# Allegro board BeagleBoard-X15_RevA2.brd (continued)
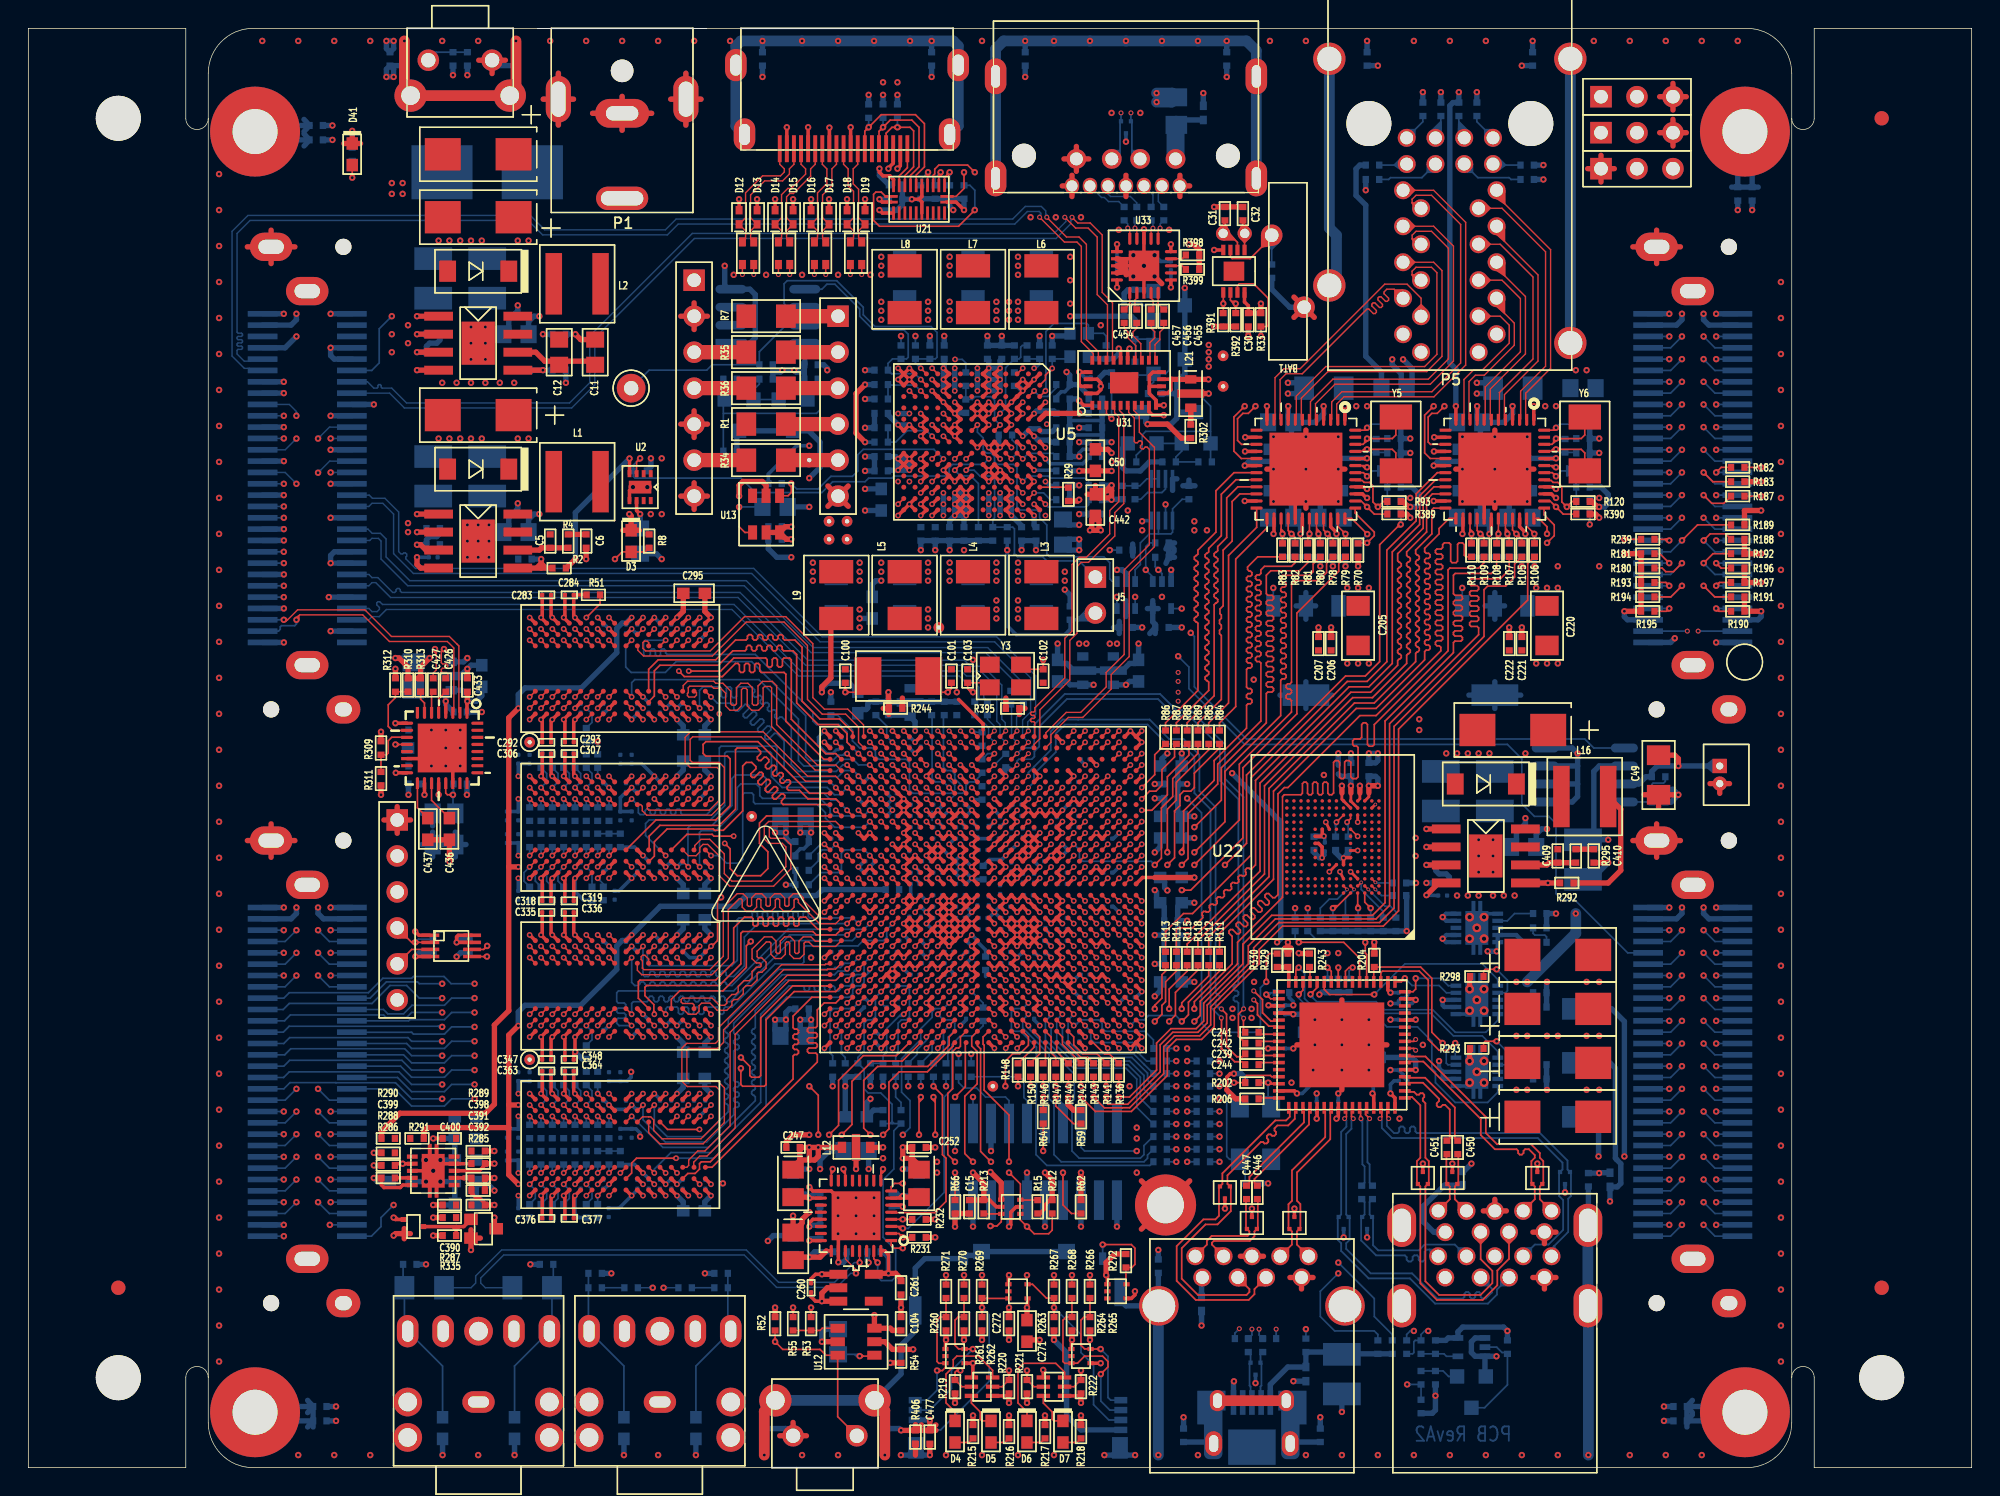
[diagram p0: board, top side]
## Routing (per net, layer and track width the routed paths; a pad name or vN(x,y) marks a point on that pad's centre or on a via; arc(x,y) is an arc through that point) (continued)
P0_TRD[3]P: length 17.6
  TOP w0.102: P5.17 96.39,83.19 95.88,83.19 95.69,82.99 95.69,82.87 96.01,82.54 96.01,82.42 95.92,82.33 95.79,82.33 95.47,82.65 95.34,82.65 95.26,82.56 95.26,82.43 95.58,82.11 95.58,81.99 95.49,81.9 95.36,81.9 95.04,82.22 94.91,82.22 94.82,82.13 94.82,82 95.15,81.68 95.15,81.56 95.06,81.47 94.93,81.47 94.61,81.79 94.48,81.79 89.91,77.22 88.77,77.22 88.35,76.8 88.35,74.03 U14.10
P1_TRD[0]N: length 18.6
  TOP w0.102: U15.3 105.33,74.03 105.33,75.99 107.09,77.75 107.09,85.83 104.01,88.9 P5.2
P1_TRD[0]P: length 18.5
  TOP w0.102: U15.2 105.68,74.03 105.68,75.84 107.44,77.6 107.44,85.97 103.63,89.79 P5.1
P1_TRD[1]N: length 15.9
  TOP w0.102: U15.6 103.83,74.03 103.83,75.89 106.2,78.26 106.2,84.05 103.89,86.36 P5.4
P1_TRD[1]P: length 15.9
  TOP w0.102: P5.3 103.63,87.12 106.55,84.2 106.55,78.11 104.18,75.74 104.18,74.03 U15.5
P1_TRD[2]N: length 13.1
  TOP w0.102: U15.8 102.83,74.03 102.83,76.28 105.31,78.77 105.31,82.52 104.01,83.82 P5.6
P1_TRD[2]P: length 13
  TOP w0.102: P5.5 103.63,84.71 105.66,82.67 105.66,78.62 103.18,76.14 103.18,74.03 U15.7
P1_TRD[3]N: length 10.8
  TOP w0.102: P5.8 103.89,81.28 104.52,80.65 104.52,79.38 102.62,77.47 101.99,77.47 101.33,76.81 101.33,74.03 U15.11
P1_TRD[3]P: length 10.8
  TOP w0.102: P5.7 103.63,82.04 104.88,80.79 104.88,79.23 102.76,77.11 102.13,77.11 101.68,76.66 101.68,74.03 U15.10
PCI_CONN_REFN: length 20
  TOP w0.102: U7.2 30.39,53.35 30.39,58 29.72,58.67 25.63,58.67 23.75,60.55 19,60.55 18.3,59.85 v2(18.03,59.85)
  BOTTOM w0.12: P19.58 v2(18.03,59.85)
PCI_CONN_REFP: length 19.9
  TOP w0.102: v2(18.92,59.85) 18.92,59.97 19.15,60.2 23.6,60.2 25.48,58.32 29.57,58.32 30.03,57.86 30.03,53.35 U7.3
  BOTTOM w0.12: v2(18.92,59.85) 18.92,59.55 18.8,59.43 17.87,59.43 17.78,59.35 17.78,59.18 17.65,59.05 P19.59
PCIE_TXN0: length 3.1
  TOP w0.12: U11.AG14 v3(68.19,51.21)
  BOTTOM w0.102: C423.1 67.34,52.58 67.44,52.58 67.77,52.24 67.77,51.62 v3(68.19,51.21)
PCIE_TXN1: length 3.4
  TOP w0.12: U11.AG12 v3(69.79,51.21)
  BOTTOM w0.102: v3(69.79,51.21) 69.4,51.6 69.4,53.83 C425.1
PCIE_TXP0: length 1.9
  TOP w0.12: U11.AH14 v3(68.19,52.01)
  BOTTOM w0.102: v3(68.19,52.01) 68.19,52.34 67.69,52.83 C422.1
PCIE_TXP1: length 2.7
  TOP w0.12: U11.AH12 v3(69.79,52.01)
  BOTTOM w0.102: v3(69.79,52.01) 69.75,52.04 69.75,52.99 70.23,53.47 C424.1
PMIC_BOOT0: length 4.1
  TOP w0.12: U5.L3 v1(62.99,76.01)
  BOTTOM w0.12: R21.1 R20.1 60.71,76.42 62.58,76.42 v1(62.99,76.01)
PMIC_BOOT1: length 5.2
  TOP w0.12: U5.K7 v1(63.79,72.81)
  BOTTOM w0.12: v1(63.79,72.81) 63.4,73.2 62.02,73.2 61.21,72.39 R214.1 R22.1
PMIC_GPIO_0: length 2.3
  TOP w0.12: v1(70.99,68.81) U5.B12
  BOTTOM w0.12: R421.1 72.14,68.33 71.65,68.81 v1(70.99,68.81)
PMIC_GPIO_3: length 5.7
  TOP w0.12: U5.H9 v1(65.39,70.41)
  BOTTOM w0.12: v1(65.39,70.41) 65.79,70 66.52,70 67.06,69.47 R26.1
PMIC_GPIO_5: length 5.9
  TOP w0.12: v1(70.19,69.61) U5.C10
  BOTTOM w0.12: R27.1 74.84,69.69 74.68,69.85 72.14,69.85 71.99,70 70.58,70 v1(70.19,69.61)
PMIC_INT: length 49
  TOP w0.12: U11.AD17 v1(64.99,48.81) ; U5.K1 v1(63.79,77.61)
  INT_L3 w0.094: v1(63.79,77.61) 63.39,77.22 62.74,77.22 62.56,77.04 62.56,67.85 61.85,67.14 61.85,60.33 67.09,55.08 67.09,49.56 66.71,49.18 65.44,49.18 65.06,48.81 v1(64.99,48.81)
  BOTTOM w0.12: v1(64.99,48.81) 64.99,48.57 65.39,48.17 65.39,47.84 65.15,47.61 62.42,47.61 62.19,47.84 62.19,49.77 61.95,50.01 60.02,50.01 59.79,50.24 59.79,50.58 59.56,50.81 59.22,50.81 59.22,50.8 58.67,50.8 58.17,51.31 58.17,52.07 57.12,53.12 R48.2
PMIC_OFF: length 35.9
  TOP w0.12: U11.Y11 v1(70.59,45.61)
  INT_L3 w0.094: v1(70.59,45.61) 70.59,45.62 70.99,46.03 70.99,63.75 72.64,65.41 72.64,75.95 v1(70.99,77.61)
  BOTTOM w0.12: v1(70.99,77.61) 71.13,77.61 71.37,77.85 R45.2 R322.1
PMIC_POWERGOOD: length 13.5
  TOP w0.12: U5.J7 v1(64.59,72.81)
  SIG_L10 w0.094: v1(64.59,72.81) 63.79,72.01 61.21,72.01 60.45,71.25 60.45,68.95 59.7,68.2 58.29,68.2 57.15,67.06 57.15,66.17 TP5.1
PMIC_POWERHOLD: length 16
  TOP w0.12: U5.G9 v1(66.19,70.41)
  BOTTOM w0.12: v1(66.19,70.41) 66.75,70.41 67.18,69.98 67.6,69.98 67.63,70 67.95,70 68.2,69.75 68.2,67.05 68.07,66.93 R28.2 R23.2 69.48,66.39 69.6,66.27 69.6,64.52 69.82,64.3 71.59,64.3 71.88,64.01 74.17,64.01 J5.1
PMIC_RESET_IN: length 15.8
  TOP w0.12: U5.K9 v1(64.59,71.21) ; v2(53.85,69.47) 53.85,68.83 53.62,68.61 U13.1
  BOTTOM w0.12: v1(64.59,71.21) 63.91,71.88 58.93,71.88 58.55,71.5 58.55,70.36 58.17,69.98 56.64,69.98 55.75,69.09 54.23,69.09 v2(53.85,69.47) R56.2
PMIC_RESET_OUT: length 19.7
  TOP w0.12: v1(66.99,73.61) U5.G6
  BOTTOM w0.12: U9.1 76.52,62.55 76.33,62.74 76.33,63.88 75.91,64.3 72.1,64.3 71.88,64.52 71.88,66.55 71.38,67.05 71.38,67.43 71.21,67.6 70,67.6 69.78,67.82 69.78,70.59 69.55,70.82 68.37,70.82 68.2,70.99 68.2,71.38 67.95,71.62 67.63,71.62 67.4,71.85 67.4,72.68 66.99,73.09 v1(66.99,73.61)
PMIC_SCE: length 5.6
  TOP w0.12: U5.M3 v1(62.19,76.01)
  INT_L3 w0.094: v2(62.61,79.88) 61.76,79.04 61.76,76.43 v1(62.19,76.01)
  BOTTOM w0.12: R19.2 v2(62.61,79.88)
PMIC_SDO: length 14.4
  TOP w0.12: U5.H8 v1(65.39,71.21)
  INT_L3 w0.094: v2(61.59,79.88) 62.1,80.39 64.9,80.39 65.76,79.52 65.76,72.49 65.39,72.12 v1(65.39,71.21)
  BOTTOM w0.12: R18.2 v2(61.59,79.88)
PMIC_VBUS_DET: length 92.4
  TOP w0.12: U5.C13 v1(70.19,67.21)
  INT_L3 w0.094: v2(78.23,20.83) 79.76,22.35 79.76,29.84 80.65,30.73 81.28,30.73 81.79,31.24 81.79,33.53 81.28,34.04 81.28,39.88 81.79,40.39 81.79,43.94 80.52,45.21 80.52,48.51 80.01,49.02 80.01,52.2 79.5,52.7 79.5,57.91 80.01,58.42 80.01,60.71 79.5,61.21 79.5,61.85 80.26,62.61 80.26,64.52 v2(78.61,66.17)
  SIG_L10 w0.094: v2(78.61,66.17) 77.6,65.15 72.24,65.15 v1(70.19,67.21) ; v2(97.79,9.65) 97.54,9.4 79.12,9.4 77.6,10.92 77.6,20.19 v2(78.23,20.83)
  BOTTOM w0.12: R414.2 97.28,9.4 97.54,9.65 v2(97.79,9.65)
PMIC_XTAL_IN: length 10.6
  TOP w0.12: U5.A3 v1(71.79,76.01)
  BOTTOM w0.12: v1(71.79,76.01) 71.82,76.04 71.82,80.2 72.39,80.77 74.7,80.77 74.82,80.65 74.82,80.07 75.88,80.07 76.07,79.88 C452.1
PMIC_XTAL_OUT: length 3.5
  TOP w0.12: U5.A2 71.79,76.81 71.79,77.12 v1(72.26,77.6)
  BOTTOM w0.12: Y9.1 73.36,78.27 C453.1 v1(72.26,77.6)
POR_CT: length 2.6
  TOP w0.12: U12.4 59.65,7.87 v2(58.67,7.87)
  BOTTOM w0.12: v2(58.67,7.87) 58.55,8 57.15,8
PORZ: length 53.7
  TOP w0.12: U11.F22 v1(60.99,33.61) ; U11.AB17 v1(64.99,47.21)
  SIG_L8 w0.094: v1(60.99,33.61) 61.42,34.04 61.98,34.04 62.18,34.24 62.18,46.56 62.45,46.83 64.48,46.83 64.86,47.21 v1(64.99,47.21)
  SIG_L10 w0.094: v2(78.12,61.47) 77.74,61.85 73.91,61.85 67.18,55.12 67.18,48.01 66.8,47.62 65.41,47.62 v1(64.99,47.21)
  BOTTOM w0.12: R57.1 67.31,48.96 66.75,48.41 66.42,48.41 66.19,48.17 66.19,47.84 65.95,47.61 65.5,47.61 65.1,47.21 v1(64.99,47.21) U11.AB17 C95.2 ; U9.4 v2(78.12,61.47) ; v1(60.99,33.61) 61.3,33.92 C96.2 61.3,34.01 61.95,34.01 62.19,33.77 62.19,31.83 61.96,31.61 61.62,31.61 61.39,31.37 61.39,29.26 61.21,29.08 R39.1
PR1_UART0_CTSN: length 43.5
  TOP w0.12: U11.G1 v1(78.59,34.41)
  SIG_L5 w0.094: v2(116.71,33.14) 116.71,32.77 116.46,32.51 105.54,32.51 103.12,34.92 89.28,34.92 88.77,35.43 80.26,35.43 79.24,34.41 v1(78.59,34.41)
  BOTTOM w0.12: P18.40 115.91,32.34 v2(116.71,33.14)
PR1_UART0_RTSN: length 48.7
  TOP w0.12: U11.G6 v1(74.59,34.41)
  SIG_L5 w0.094: v1(74.59,34.41) 74.59,34.67 75.01,35.09 75.01,35.36 75.28,35.63 75.54,35.63 75.81,35.89 75.81,36.16 76.08,36.43 76.34,36.43 77.41,37.49 77.41,37.76 77.68,38.03 77.94,38.03 78.21,38.29 78.21,38.56 78.48,38.83 78.96,38.83 79.25,39.12 84.71,39.12 84.96,38.86 98.55,38.86 99.57,39.88 110.68,39.88 v2(115.82,34.74)
  BOTTOM w0.12: P18.37 v2(115.82,34.74)
PR1_UART0_RXD: length 42.8
  TOP w0.12: U11.F2 v1(77.79,33.61)
  SIG_L5 w0.094: v1(77.79,33.61) 78.16,33.23 78.89,33.23 80.58,34.92 88.27,34.92 89.28,33.91 99.06,33.91 99.57,34.42 102.87,34.42 105.28,32 115.35,32 v2(115.82,31.54)
  BOTTOM w0.12: P18.41 v2(115.82,31.54)
PR1_UART0_TXD: length 47.2
  TOP w0.12: U11.F3 v1(76.99,33.61)
  SIG_L5 w0.094: v2(118.24,33.14) 117.36,32.26 105.41,32.26 103,34.67 99.38,34.67 98.87,34.16 96.9,34.16 96.39,34.67 89.03,34.67 88.52,35.18 80.39,35.18 79.24,34.03 77.41,34.03 v1(76.99,33.61)
  BOTTOM w0.12: v2(118.24,33.14) 119.04,32.34 P18.10
PS_3V3: length 116.2
  TOP w0.254: v1(61.39,70.41) U5.N9 ; U5.N9 61.79,70.81 v1(62.19,70.41) U5.M9 v1(62.19,71.21) ; U5.N9 v1(62.19,71.21) ; U5.N9 v1(61.39,71.21) U5.N8 v1(62.19,71.21) ; v1(66.19,68.01) U5.G13 v1(66.19,67.21) U5.H13 ; v1(66.19,68.01) U5.G12 v1(66.19,68.81) ; v1(66.19,68.01) U5.H13 ; v1(66.19,68.01) 66.19,68.01 U5.H12 ; U5.H12 v1(65.39,68.81) U5.H11 65.79,69.21 v1(66.19,68.81) ; U5.H12 v1(66.19,68.81) ; U5.H12 v1(65.39,68.01) U5.H13 ; U5.H13 v1(65.39,67.21) ; U5.D11 v1(69.39,68.81) 68.99,68.41 U5.D12 v1(69.39,68.01) 68.99,67.61 U5.D13 v1(69.39,67.21) ; v1(62.19,71.21) U5.M8 ; v1(66.19,68.81) U5.G11 ; v1(62.99,67.21) U5.L13 v1(62.99,68.01) U5.L12 ; U5.E3 v1(68.59,76.01) 68.19,76.41 U5.E2 v1(68.59,76.81) U5.E1 v1(68.59,77.61) ; v1(61.39,73.61) U5.N6 v1(62.19,73.61) U5.M6 ; v1(64.59,77.61) U5.J1 v1(64.59,76.81) U5.J2 v1(64.59,76.01) U5.J3 ; v1(67.79,77.61) U5.F1 v1(67.79,76.81) U5.F2 67.39,76.41 v1(67.79,76.01) U5.F3 ; v1(70.19,75.21) U5.C4 v1(70.19,74.41) U5.C5 ; v1(70.19,72.01) U5.C7 ; 43.93,71.24 v2(43.94,71.25)
  TOP w0.381: U13.5 U13.6 ; U13.6 53.43,66.42 v2(53.85,66.42) ; U13.6 53.51,65.53 v2(53.85,65.53) ; R29.1 74.07,68.23 v2(74.17,68.33) ; R335.1 v2(28.58,16.38) ; v2(75.69,66.17) v2(74.93,66.17) 75.06,66.29 75.06,66.93 C442.1 75.56,66.93 75.56,66.29 v2(75.69,66.17)
  TOP w1.016: P3.1 R7.2
  SIG_L5 w0.381: v2(37.94,76.58) 37.94,81.95 30.99,88.9 v2(30.99,98.3)
  PWR_L6 w0.381: 56.21,82.22 P3.1 ; P3.1 58.09,82.22 ; P3.1 58.09,80.34 ; P3.1 56.21,80.34
  SIG_L10 w0.381: v2(74.93,66.17) v2(75.69,66.17) 77.28,66.17 78.41,67.3 81.8,67.3 v2(82.3,66.8)
  BOTTOM w0.254: R30.1 73.5,76.29 73.15,75.95 72.9,75.95 72.55,75.6 C26.2
  BOTTOM w0.381: R407.1 v2(30.99,98.3) ; v1(68.59,77.61) 68.59,78.14 C45.1 ; v1(68.59,77.61) v1(67.79,77.61) ; v1(68.59,77.61) v1(68.59,76.81) ; v1(67.79,76.81) v1(67.79,76.01) v1(68.59,76.01) v1(68.59,76.81) ; v1(67.79,76.81) v1(67.79,77.61) ; v1(67.79,76.81) v1(68.59,76.81) ; v1(65.39,67.21) v1(65.39,68.01) ; v1(65.39,67.21) 65.02,66.85 C37.1 ; v1(65.39,67.21) v1(66.19,67.21) ; v1(65.39,68.01) v1(65.39,68.81) v1(66.19,68.81) v1(66.19,68.01) ; v1(65.39,68.01) v1(66.19,68.01) ; C39.1 67.79,78.17 v1(67.79,77.61) ; C41.1 64.64,77.67 v1(64.59,77.61) v1(64.59,76.81) v1(64.59,76.01) ; v2(43.94,71.25) 43.94,70.65 R10.2 ; v2(53.85,65.53) C111.1 R58.1 v2(53.85,66.42) ; C46.1 60.72,70.41 v1(61.39,70.41) ; v1(61.39,70.41) v1(61.39,71.21) ; v1(61.39,70.41) v1(62.19,70.41) v1(62.19,71.21) v1(61.39,71.21) ; v1(61.39,71.21) 61.22,71.37 C48.1 ; C43.1 60.67,74.32 v1(61.39,73.61) v1(62.19,73.61) ; C33.1 70.1,66.49 v1(69.39,67.21) v1(69.39,68.01) v1(69.39,68.81) ; v1(66.19,67.21) v1(66.19,68.01) ; v1(66.19,67.21) 66.04,67.06 C35.1 ; C27.2 74.84,75.69 74.07,76.45 R30.1 73.5,77.12 v2(73.28,77.34) ; R13.1 v2(37.94,76.58) ; C23.1 v2(59.05,67.56)
  vias: v1(71.79,67.21) v2(44.7,71.25)
PS_3V3_COMP: length 6
  TOP w0.381: U3.6 35.81,78.74 36.45,78.11 37.21,78.11 C12.1 37.72,78.11 39.75,78.11 C11.1
PS_3V3_EN: length 4.2
  TOP w0.381: v2(27.43,78.74) U3.3
  BOTTOM w0.381: R9.2 29.05,79.6 28.83,79.38 28.32,79.38 28.1,79.15 R11.1 v2(27.43,78.74)
PS_3V3_SNS: length 3.4
  TOP w0.381: U3.5 v2(36.32,77.47)
  BOTTOM w0.381: R13.2 v2(36.32,77.47) R14.2
PS_3V3_SS: length 2.4
  TOP w0.381: U3.4 v2(27.43,77.47)
  BOTTOM w0.254: v2(27.43,77.47) C13.1
PS_3V3_TAP: length 3.8
  TOP w0.381: 46.05,81.28 P2.2 ; P2.2 47.93,81.28 ; P2.2 46.99,82.22 ; P2.2 46.99,80.34
  vias: v2(34.54,86.61) v2(35.31,86.61)
PUSB_RXN0: length 41.2
  TOP w0.127: U11.AF12 v3(69.79,50.41) ; C242.1 85.41,30.45 85.41,32.02 v3(85.78,32.38)
  BOTTOM w0.127: v3(69.79,50.41) 70.19,50.81 70.75,50.81 70.99,51.05 70.99,52.45 73.15,54.61 79.88,54.61 81.03,53.47 82.04,53.47 84.45,51.05 84.45,48.64 85.76,47.33 85.76,32.42 85.78,32.4 v3(85.78,32.38)
PUSB_RXP0: length 41.2
  TOP w0.127: C241.1 85.76,30.86 85.76,31.71 v3(85.78,31.72) ; U11.AE12 v3(69.79,49.61)
  BOTTOM w0.114: 70.82,50.01 69.91,50.01
  BOTTOM w0.127: 70.82,50.01 71.01,50.19 71.01,50.56 71.35,50.9 71.35,52.3 73.3,54.25 79.74,54.25 80.88,53.11 81.89,53.11 84.1,50.9 84.1,48.49 85.41,47.19 85.41,34.16 85.3,34.05 85.18,34.05 85.06,33.94 85.06,33.78 85.18,33.67 85.3,33.67 85.41,33.56 85.41,33.4 85.3,33.29 85.18,33.29 85.06,33.18 85.06,33.02 85.18,32.91 85.3,32.91 85.41,32.8 85.41,32.12 v3(85.78,31.72) ; 69.91,50.01 69.79,49.88 v3(69.79,49.61)
PUSB_TXN0: length 39.7
  TOP w0.127: v3(84.2,31.75) 84.21,31.74 84.21,29.88 84.21,29.58 85.15,28.65 85.68,28.65 C244.1 ; U11.AC11 v3(70.59,48.01)
  BOTTOM w0.127: v3(84.2,31.75) 83.44,32.51 83.44,46.48 82.3,47.62 82.3,50.17 81.38,51.08 80.37,51.08 78.99,52.45 73.95,52.45 73.15,52.45 72.52,51.82 72.52,50.51 70.98,48.97 70.98,48.4 v3(70.59,48.01)
PUSB_TXP0: length 39.7
  TOP w0.127: C239.1 85.68,29.01 85.29,29.01 84.57,29.73 84.57,32.02 v3(84.2,32.38) ; U11.AD11 v3(70.59,48.81)
  BOTTOM w0.127: v3(84.2,32.38) 84.2,32.38 84.07,32.38 83.79,32.66 83.79,32.91 83.91,33.02 83.96,33.02 84.07,33.14 84.07,33.29 83.96,33.41 83.91,33.41 83.79,33.52 83.79,46.63 82.65,47.77 82.65,50.31 81.53,51.44 80.51,51.44 79.14,52.81 74.1,52.81 73,52.81 72.16,51.96 72.16,50.65 70.99,49.49 70.99,49.48 70.59,49.07 v3(70.59,48.81)
PWRON: length 157.6
  TOP w0.12: U5.G8 v1(66.19,71.21)
  INT_L3 w0.094: v2(66.04,64.77) 65.79,65.02 65.79,70.81 v1(66.19,71.21) ; S1.2 28.23,90.46 26.16,88.39 26.16,79.25 v2(25.65,78.74) ; v2(119.13,36.34) 118.26,37.21 115.44,37.21 110.24,42.42 110.24,61.34 v2(107.95,63.63)
  SIG_L10 w0.094: v2(107.95,63.63) 107.31,64.26 66.55,64.26 v2(66.04,64.77) ; v1(66.19,71.21) 65.02,72.37 65.02,77.85 64.64,78.23 59.94,78.23 58.17,80.01 45.47,80.01 44.96,79.5 35.31,79.5 34.92,79.88 27.94,79.88 26.8,78.74 v2(25.65,78.74)
  BOTTOM w0.12: S1.2 28.8,99.92 C478.1 R407.2 ; P18.5 v2(119.13,36.34)
R_3V3LED: length 2.7
  TOP w0.12: R8.2 43.53,64.64 D3.2 41.91,64.64 v2(41.4,64.14)
R_12VLED: length 2.1
  TOP w0.12: D41.2 v2(22.86,91.06)
  BOTTOM w0.12: R240.2 v2(22.86,91.06)
R_EMAC[0]_RXC: length 2.7
  TOP w0.12: R79.2 v2(92.96,65.91) 92.42,66.46 U14.35
  BOTTOM w0.12: v2(92.96,65.91) R79.2
R_EMAC[0]_RXCTL: length 2.9
  TOP w0.12: R78.2 92.08,65.53 v2(91.69,65.91) 91.42,66.19 U14.33
  BOTTOM w0.12: v2(91.69,65.91) 92.08,65.53 R78.2
R_EMAC[0]_RXD0: length 2.6
  TOP w0.12: R80.2 91.19,65.79 v2(91.06,65.91) 90.92,66.05 U14.32
  BOTTOM w0.12: v2(91.06,65.91) 91.19,65.85 R80.2
R_EMAC[0]_RXD1: length 2.5
  TOP w0.12: R81.2 90.3,65.79 v2(90.42,65.91) 90.42,66.04 U14.31
  BOTTOM w0.12: R81.2 90.3,65.79 v2(90.42,65.91)
R_EMAC[0]_RXD2: length 2.7
  TOP w0.12: R82.2 89.41,65.66 v2(89.15,65.91) 88.92,66.15 U14.28
  BOTTOM w0.12: R82.2 89.41,65.66 v2(89.15,65.91)
R_EMAC[0]_RXD3: length 2.5
  TOP w0.12: U14.27 88.42,66.01 v2(88.52,65.91) R83.2
  BOTTOM w0.12: v2(88.52,65.91) R83.2
R_EMAC[0]_TXC: length 17.1
  TOP w0.12: R85.2 83.31,52.58 84.71,53.98 84.71,64.39 86.7,66.38 U14.24
R_EMAC[0]_TXCTL: length 16.4
  TOP w0.12: U14.25 87.42,66.34 85.22,64.14 85.22,53.72 84.07,52.58 R84.2
R_EMAC[0]_TXD0: length 23.6
  TOP w0.12: R86.2 80.26,52.58 82.55,54.86 82.55,59.6 82.44,59.71 82.4,59.71 82.3,59.81 82.3,59.96 82.4,60.07 82.44,60.07 82.55,60.17 82.55,60.32 82.44,60.43 82.4,60.43 82.3,60.53 82.3,60.68 82.4,60.79 82.44,60.79 82.55,60.89 82.55,61.04 82.44,61.15 82.4,61.15 82.3,61.25 82.3,61.4 82.4,61.51 82.44,61.51 82.55,61.61 82.55,61.76 82.44,61.87 82.4,61.87 82.3,61.97 82.3,62.12 82.4,62.23 82.44,62.23 82.55,62.33 82.55,62.48 82.44,62.59 82.4,62.59 82.3,62.69 82.3,62.84 82.4,62.95 82.44,62.95 82.55,63.05 82.55,63.2 82.44,63.31 82.4,63.31 82.3,63.41 82.3,63.56 82.4,63.67 82.44,63.67 82.55,63.77 82.55,63.92 82.44,64.03 82.4,64.03 82.3,64.13 82.3,64.28 82.4,64.38 82.44,64.38 82.55,64.49 82.55,64.77 83.82,66.04 83.82,68.96 85.09,70.24 U14.19
R_EMAC[0]_TXD1: length 24.3
  TOP w0.12: R87.2 81.03,52.58 83.31,54.86 83.31,55.45 83.21,55.55 83.16,55.55 83.06,55.66 83.06,55.81 83.16,55.91 83.21,55.91 83.31,56.02 83.31,56.17 83.21,56.27 83.16,56.27 83.06,56.38 83.06,56.53 83.16,56.63 83.21,56.63 83.31,56.74 83.31,56.89 83.21,56.99 83.16,56.99 83.06,57.1 83.06,57.25 83.16,57.35 83.21,57.35 83.31,57.46 83.31,57.61 83.21,57.71 83.16,57.71 83.06,57.82 83.06,57.97 83.16,58.07 83.21,58.07 83.31,58.18 83.31,58.33 83.21,58.43 83.16,58.43 83.06,58.54 83.06,58.68 83.16,58.79 83.21,58.79 83.31,58.9 83.31,59.04 83.21,59.15 83.16,59.15 83.06,59.26 83.06,59.4 83.16,59.51 83.21,59.51 83.31,59.61 83.31,59.76 83.21,59.87 83.16,59.87 83.06,59.97 83.06,60.12 83.16,60.23 83.21,60.23 83.31,60.33 83.31,60.48 83.21,60.59 83.16,60.59 83.06,60.69 83.06,60.84 83.16,60.95 83.21,60.95 83.31,61.05 83.31,61.2 83.21,61.31 83.16,61.31 83.06,61.41 83.06,61.56 83.16,61.67 83.21,61.67 83.31,61.77 83.31,61.92 83.21,62.03 83.16,62.03 83.06,62.13 83.06,62.28 83.16,62.39 83.21,62.39 83.31,62.49 83.31,62.64 83.21,62.75 83.16,62.75 83.06,62.85 83.06,63 83.16,63.11 83.21,63.11 83.31,63.21 83.31,63.36 83.21,63.47 83.16,63.47 83.06,63.57 83.06,63.72 83.16,63.83 83.21,63.83 83.31,63.93 83.31,64.08 83.21,64.19 83.16,64.19 83.06,64.29 83.06,64.44 83.16,64.54 83.21,64.54 83.31,64.65 83.31,64.9 84.2,65.79 84.2,68.71 85.23,69.73 U14.20
R_EMAC[0]_TXD2: length 21.3
  TOP w0.12: U14.21 85.36,69.24 84.58,68.45 84.58,65.66 83.95,65.02 83.95,64.72 83.84,64.62 83.8,64.62 83.69,64.51 83.69,64.37 83.8,64.26 83.84,64.26 83.95,64.15 83.95,64.01 83.84,63.9 83.8,63.9 83.69,63.79 83.69,63.65 83.8,63.54 83.84,63.54 83.95,63.44 83.95,63.29 83.84,63.18 83.8,63.18 83.69,63.08 83.69,62.93 83.8,62.82 83.84,62.82 83.95,62.72 83.95,62.57 83.84,62.46 83.8,62.46 83.69,62.36 83.69,62.21 83.8,62.1 83.84,62.1 83.95,62 83.95,61.85 83.84,61.74 83.8,61.74 83.69,61.64 83.69,61.49 83.8,61.38 83.84,61.38 83.95,61.28 83.95,61.13 83.84,61.02 83.8,61.02 83.69,60.92 83.69,54.48 81.79,52.58 R88.2
R_EMAC[0]_TXD3: length 19.4
  TOP w0.12: U14.22 85.5,68.73 84.96,68.2 84.96,65.41 84.33,64.77 84.33,60.83 84.11,60.61 84.11,60.28 84.2,60.18 84.2,59.95 84.07,59.82 84.07,59.59 84.2,59.46 84.2,59.23 84.07,59.1 84.07,58.87 84.2,58.74 84.2,54.23 82.55,52.58 R89.2
R_EMAC[1]_RXC: length 2.7
  TOP w0.12: R106.2 v2(106.3,65.91) 105.75,66.46 U15.35
  BOTTOM w0.12: v2(106.3,65.91) R106.2
R_EMAC[1]_RXCTL: length 2.9
  TOP w0.12: R105.2 105.41,65.53 v2(105.03,65.91) 104.75,66.19 U15.33
  BOTTOM w0.12: R105.2 105.41,65.53 v2(105.03,65.91)
R_EMAC[1]_RXD0: length 2.6
  TOP w0.12: U15.32 104.26,66.05 v2(104.39,65.91) 104.52,65.79 R107.2
  BOTTOM w0.12: v2(104.39,65.91) 104.52,65.85 R107.2
R_EMAC[1]_RXD1: length 2.5
  TOP w0.12: R108.2 103.63,65.79 v2(103.76,65.91) 103.75,66.04 U15.31
  BOTTOM w0.12: v2(103.76,65.91) 103.63,65.79 R108.2
R_EMAC[1]_RXD2: length 2.7
  TOP w0.12: U15.28 102.26,66.15 v2(102.49,65.91) 102.74,65.66 R109.2
  BOTTOM w0.12: v2(102.49,65.91) 102.74,65.66 R109.2
R_EMAC[1]_RXD3: length 2.5
  TOP w0.12: R110.2 v2(101.85,65.91) 101.75,66.01 U15.27
  BOTTOM w0.12: v2(101.85,65.91) R110.2
R_EMAC[1]_TXC: length 42.2
  TOP w0.12: R112.2 83.31,37.47 87.57,41.72 87.57,47.94 93.6,53.98 95,53.98 97.92,56.9 97.92,57.48 98.02,57.58 98.07,57.58 98.17,57.69 98.17,57.84 98.07,57.94 98.02,57.94 97.92,58.05 97.92,58.2 98.02,58.3 98.07,58.3 98.17,58.41 98.17,58.56 98.07,58.66 98.02,58.66 97.92,58.77 97.92,58.92 98.02,59.02 98.07,59.02 98.17,59.13 98.17,59.28 98.07,59.38 98.02,59.38 97.92,59.49 97.92,59.64 98.02,59.74 98.07,59.74 98.17,59.85 98.17,60 98.07,60.1 98.02,60.1 97.92,60.21 97.92,60.36 98.02,60.46 98.07,60.46 98.17,60.57 98.17,60.72 98.07,60.82 98.02,60.82 97.92,60.93 97.92,61.08 98.02,61.18 98.07,61.18 98.17,61.29 98.17,61.44 98.07,61.54 98.02,61.54 97.92,61.65 97.92,61.79 98.02,61.9 98.07,61.9 98.17,62.01 98.17,62.15 98.07,62.26 98.02,62.26 97.92,62.37 97.92,62.51 98.02,62.62 98.07,62.62 98.17,62.72 98.17,62.87 98.07,62.98 98.02,62.98 97.92,63.08 97.92,63.23 98.02,63.34 98.07,63.34 98.17,63.44 98.17,63.59 98.07,63.7 98.02,63.7 97.92,63.8 97.92,63.95 98.02,64.06 98.07,64.06 98.17,64.16 98.17,64.31 98.07,64.42 98.02,64.42 97.92,64.52 97.92,64.77 99.06,65.91 99.06,67.62 99.18,67.73 U15.24
R_EMAC[1]_TXCTL: length 43.7
  TOP w0.12: U15.25 100.28,67.01 99.57,66.29 99.57,65.91 98.55,64.9 98.55,64.65 98.66,64.54 98.83,64.54 98.93,64.44 98.93,64.29 98.83,64.19 98.66,64.19 98.55,64.08 98.55,63.93 98.66,63.83 98.83,63.83 98.93,63.72 98.93,63.57 98.83,63.47 98.66,63.47 98.55,63.36 98.55,63.21 98.66,63.11 98.83,63.11 98.93,63 98.93,62.85 98.83,62.75 98.66,62.75 98.55,62.64 98.55,62.49 98.66,62.39 98.83,62.39 98.93,62.28 98.93,62.13 98.83,62.03 98.66,62.03 98.55,61.92 98.55,61.77 98.66,61.67 98.83,61.67 98.93,61.56 98.93,61.41 98.83,61.31 98.66,61.31 98.55,61.2 98.55,61.05 98.66,60.95 98.83,60.95 98.93,60.84 98.93,60.69 98.83,60.59 98.66,60.59 98.55,60.48 98.55,60.33 98.66,60.23 98.83,60.23 98.93,60.12 98.93,59.97 98.83,59.87 98.66,59.87 98.55,59.76 98.55,59.61 98.66,59.51 98.83,59.51 98.93,59.4 98.93,59.26 98.83,59.15 98.66,59.15 98.55,59.04 98.55,58.9 98.66,58.79 98.83,58.79 98.93,58.68 98.93,58.54 98.83,58.43 98.66,58.43 98.55,58.33 98.55,58.18 98.66,58.07 98.83,58.07 98.93,57.97 98.93,57.82 98.83,57.71 98.66,57.71 98.55,57.61 98.55,57.02 95.12,53.59 93.73,53.59 87.88,47.75 87.88,41.53 84.07,37.72 R111.2
R_EMAC[1]_TXD0: length 43.5
  TOP w0.12: R113.2 80.26,37.85 81.53,39.12 82.17,39.12 86.3,43.24 86.3,48.7 93.09,55.5 94.49,55.5 95.89,56.9 95.89,64.77 97.95,66.84 97.95,68.74 99.45,70.24 U15.19
R_EMAC[1]_TXD1: length 45.1
  TOP w0.12: U15.20 99.33,69.73 98.2,68.61 98.2,66.58 96.27,64.64 96.27,56.77 94.61,55.12 93.22,55.12 86.61,48.51 86.61,42.55 86.34,42.27 86.19,42.27 86.15,42.32 86,42.32 85.9,42.21 85.9,42.06 85.94,42.02 85.94,41.87 85.84,41.77 85.69,41.77 85.64,41.81 85.5,41.81 85.39,41.7 85.39,41.55 85.43,41.51 85.43,41.36 85.33,41.26 85.18,41.26 85.14,41.3 84.99,41.3 84.88,41.19 84.88,41.04 84.92,41 84.92,40.85 84.82,40.75 84.67,40.75 84.63,40.79 84.48,40.79 84.37,40.68 84.37,40.54 84.41,40.49 84.41,40.35 84.31,40.24 84.16,40.24 84.12,40.28 83.97,40.28 83.86,40.18 83.86,40.03 83.91,39.99 83.91,39.84 83.8,39.73 83.65,39.73 83.61,39.77 83.46,39.77 83.36,39.67 83.36,39.52 83.4,39.48 83.4,39.33 83.29,39.22 83.14,39.22 83.1,39.26 82.95,39.26 82.85,39.16 82.85,39.01 82.89,38.97 82.89,38.82 82.17,38.1 81.15,38.1 81.03,37.97 R114.2
R_EMAC[1]_TXD2: length 44.3
  TOP w0.12: R115.2 81.79,36.96 86.93,42.1 86.93,48.32 93.34,54.74 94.74,54.74 96.65,56.64 96.65,56.97 96.75,57.07 96.8,57.07 96.9,57.18 96.9,57.33 96.8,57.43 96.75,57.43 96.65,57.54 96.65,57.69 96.75,57.79 96.8,57.79 96.9,57.9 96.9,58.05 96.8,58.15 96.75,58.15 96.65,58.26 96.65,58.41 96.75,58.51 96.8,58.51 96.9,58.62 96.9,58.77 96.8,58.87 96.75,58.87 96.65,58.98 96.65,59.13 96.75,59.23 96.8,59.23 96.9,59.34 96.9,59.49 96.8,59.59 96.75,59.59 96.65,59.7 96.65,59.85 96.75,59.95 96.8,59.95 96.9,60.06 96.9,60.21 96.8,60.31 96.75,60.31 96.65,60.42 96.65,60.57 96.75,60.67 96.8,60.67 96.9,60.78 96.9,60.92 96.8,61.03 96.75,61.03 96.65,61.14 96.65,61.28 96.75,61.39 96.8,61.39 96.9,61.5 96.9,61.64 96.8,61.75 96.75,61.75 96.65,61.85 96.65,62 96.75,62.11 96.8,62.11 96.9,62.21 96.9,62.36 96.8,62.47 96.75,62.47 96.65,62.57 96.65,62.72 96.75,62.83 96.8,62.83 96.9,62.93 96.9,63.08 96.8,63.19 96.75,63.19 96.65,63.29 96.65,63.44 96.75,63.55 96.8,63.55 96.9,63.65 96.9,63.8 96.8,63.91 96.75,63.91 96.65,64.01 96.65,64.52 98.45,66.31 98.45,68.47 99.21,69.24 U15.21
R_EMAC[1]_TXD3: length 43.5
  TOP w0.12: R118.2 82.55,37.21 87.25,41.91 87.25,48.13 93.47,54.36 94.87,54.36 97.28,56.77 97.28,57.35 97.39,57.46 97.43,57.46 97.54,57.56 97.54,57.71 97.43,57.82 97.39,57.82 97.28,57.92 97.28,58.07 97.39,58.18 97.43,58.18 97.54,58.28 97.54,58.43 97.43,58.54 97.39,58.54 97.28,58.64 97.28,58.79 97.39,58.9 97.43,58.9 97.54,59 97.54,59.15 97.43,59.26 97.39,59.26 97.28,59.36 97.28,59.51 97.39,59.62 97.43,59.62 97.54,59.72 97.54,59.87 97.43,59.97 97.39,59.97 97.28,60.08 97.28,60.23 97.39,60.33 97.43,60.33 97.54,60.44 97.54,60.59 97.43,60.69 97.39,60.69 97.28,60.8 97.28,60.95 97.39,61.05 97.43,61.05 97.54,61.16 97.54,61.31 97.43,61.41 97.39,61.41 97.28,61.52 97.28,61.67 97.39,61.77 97.43,61.77 97.54,61.88 97.54,62.03 97.43,62.13 97.39,62.13 97.28,62.24 97.28,62.39 97.39,62.49 97.43,62.49 97.54,62.6 97.54,62.75 97.43,62.85 97.39,62.85 97.28,62.96 97.28,63.11 97.39,63.21 97.43,63.21 97.54,63.32 97.54,63.47 97.43,63.57 97.39,63.57 97.28,63.68 97.28,63.83 97.39,63.93 97.43,63.93 97.54,64.04 97.54,64.19 97.43,64.29 97.39,64.29 97.28,64.4 97.28,64.64 98.69,66.05 98.69,68.33 99.1,68.73 U15.22
RDRXN: length 1.3
  TOP w0.102: C456.2 79.38,81.89 79.38,82.41 79.24,82.56 U33.4
RDRXP: length 1.3
  TOP w0.102: U33.5 79.74,82.15 C455.2
RDTXN: length 1.3
  TOP w0.102: U33.2 78.24,82.56 78.1,82.41 78.1,81.89 C457.2
RDTXP: length 1.3
  TOP w0.102: C454.1 77.74,82.15 U33.1
RESETIN: length 111.1
  TOP w0.12: S2.2 57.12,3.6 U12.3 56.29,7.94 55.88,8.35 53.25,8.35 v2(52.7,8.89) R52.2